# Altium PCB Main .PcbDoc (part 1 of 2) (continued)
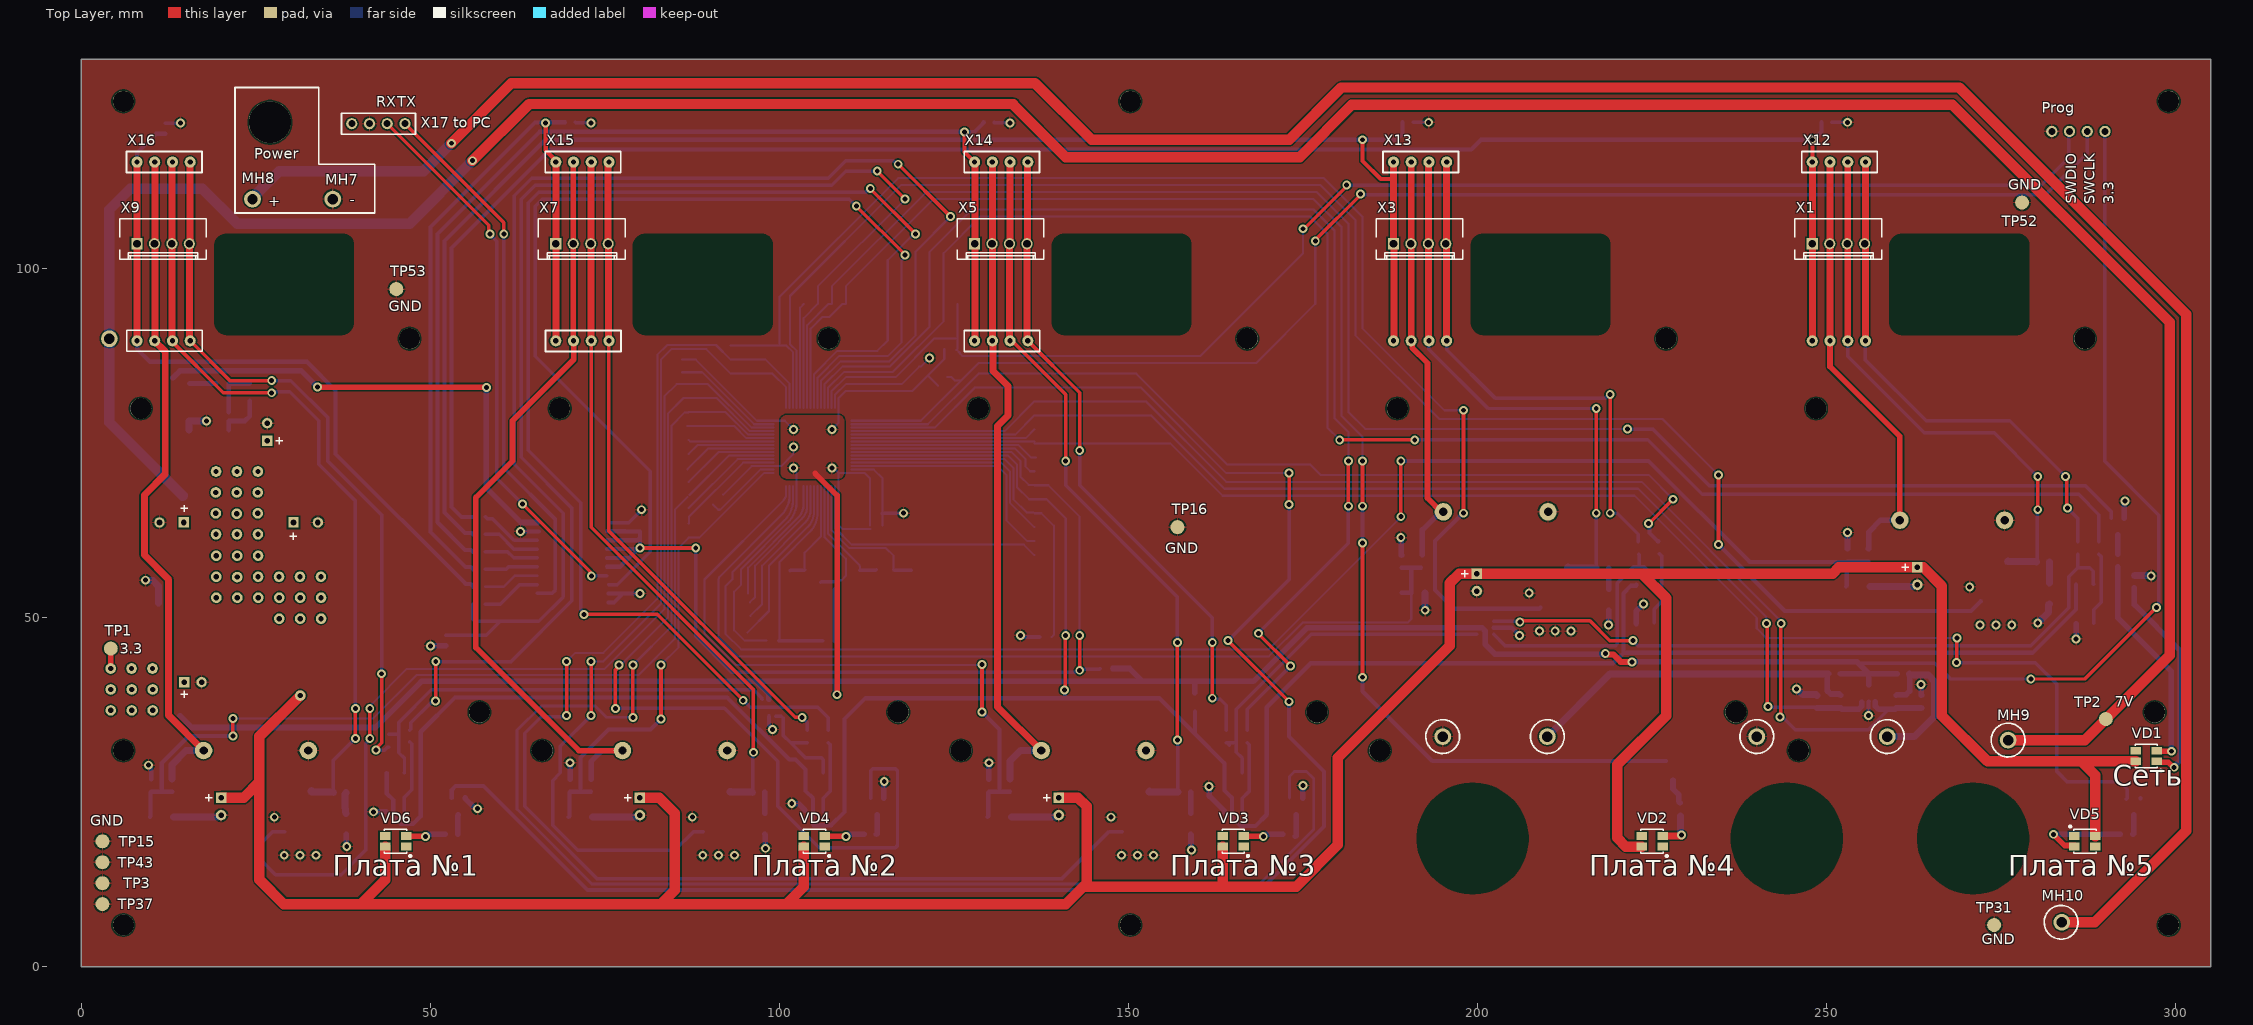
[diagram p0: Top Layer view]
## Components (designator, comment, footprint, x,y, rotation, side; value= is the part's Value field where it differs from the comment) (continued)
TP66 "TestPoint" TP_SMD_D_0.8MM 136.5,59 r90 bottom
VD1 "LED_RGB" SMD_3528_RGB_LED 295.8,30.2 r0 top value=FYLS-3528RGBC-CA
VD2 "LED_RGB" SMD_3528_RGB_LED 225,18 r0 top value=FYLS-3528RGBC-CA
VD3 "LED_RGB" SMD_3528_RGB_LED 165,18 r0 top value=FYLS-3528RGBC-CA
VD4 "LED_RGB" SMD_3528_RGB_LED 105,18 r0 top value=FYLS-3528RGBC-CA
VD5 "LED_RGB" SMD_3528_RGB_LED 287,18 r180 top value=FYLS-3528RGBC-CA
VD6 "LED_RGB" SMD_3528_RGB_LED 45,18 r0 top value=FYLS-3528RGBC-CA
VD7 "Zener" MINI_MELF 254.5,54.5 r180 bottom value=BZV55C3V3
VD8 "Zener" MINI_MELF 190.8,53.6 r180 bottom value=BZV55C3V3
VD9 "Zener" MINI_MELF 131.5,21.5 r180 bottom value=BZV55C3V3
VD10 "Zener" MINI_MELF 71.5,21.5 r180 bottom value=BZV55C3V3
VD11 "Zener" MINI_MELF 11.5,21.5 r180 bottom value=BZV55C3V3
VT1 "NPN" SOT23-3 291.7,63.1 r270 bottom value="Transistor NPN 100mA 50V"
VT2 "NPN" SOT23-3 228,28 r270 bottom value="Transistor NPN 100mA 50V"
VT3 "NPN" SOT23-3 174,23 r270 bottom value="Transistor NPN 100mA 50V"
VT4 "NPN" SOT23-3 114,23 r270 bottom value="Transistor NPN 100mA 50V"
VT5 "NPN" SOT23-3 294,23 r270 bottom value="Transistor NPN 100mA 50V"
VT6 "NPN" SOT23-3 54,23 r270 bottom value="Transistor NPN 100mA 50V"
X1 "Con 4" CWF-04_BLACK 251.7,103.6 r0 top locked value=CWF-05_BLACK
X2 "Con 4_pogo" 4_pin_pogo 247.95,89.7 r0 bottom locked value=PLS4-Pins
X3 "Con 4" CWF-04_BLACK 191.7,103.6 r0 top locked value=CWF-05_BLACK
X4 "Con 4_pogo" 4_pin_pogo 187.95,89.7 r0 bottom locked value=PLS4-Pins
X5 "Con 4" CWF-04_BLACK 131.7,103.6 r0 top locked value=CWF-05_BLACK
X6 "Con 4_pogo" 4_pin_pogo 127.95,89.7 r0 bottom locked value=PLS4-Pins
X7 "Con 4" CWF-04_BLACK 71.7,103.6 r0 top locked value=CWF-05_BLACK
X8 "Con 4_pogo" 4_pin_pogo 67.95,89.7 r0 bottom locked value=PLS4-Pins
X9 "Con 4" CWF-04_BLACK 11.7,103.6 r0 top locked value=CWF-05_BLACK
X10 "Con 4_pogo" 4_pin_pogo 7.95,89.7 r0 bottom locked value=PLS4-Pins
X11 "Con 4_1" PLS-4-WITHOUT3D 282.26,119.7 r0 bottom value=PLS4-Pins
X12 "Con 4_pogo" 4_pin_pogo 247.95,115.3 r0 top locked value=PLS4-Pins
X13 "Con 4_pogo" 4_pin_pogo 187.95,115.3 r0 top locked value=PLS4-Pins
X14 "Con 4_pogo" 4_pin_pogo 127.95,115.3 r0 top locked value=PLS4-Pins
X15 "Con 4_pogo" 4_pin_pogo 67.95,115.3 r0 top locked value=PLS4-Pins
X16 "Con 4_pogo" 4_pin_pogo 7.95,115.3 r0 top locked value=PLS4-Pins
X17 "Con 4_1" PLS-4-WITHOUT3D 46.34,120.8 r180 top value=PLS4-Pins
XT1 "Quartz Resonator KX–327NHT" KX–327NHT 115.1,56.9 r180 bottom value="32,768 kHz"
XT2 "Quartz Resonator KX7-T" KX7-T 104.75,56 r180 bottom value=8MHz

## Footprints (in the part's own frame and the unit in brackets; to place one, negate y for a bottom-side part, rotate by r counter-clockwise, add the part's x,y. Pads: shape width x height; smd on the part's side, far side on the other; paste and mask are expansions set on the pad)
4_pin_pogo [mm]
  round 1.6 hole 0.75: 1(0,0) 2(2.54,0) 3(5.08,0) 4(7.62,0)
  silkscreen extent -1.5,-1.5 9.3,1.5
CAP_RADIAL_6.3x11 [mm]
  rect 1.5x1.5 hole 0.8: 1(0,-1.25)
  round 1.5 hole 0.8: 2(0,1.25)
  silkscreen extent -3.2,-3.2 3.2,3.2, body extent -3.15,-3.15 3.15,3.15, height 11.5
CAP_RADIAL_8x11.5 [mm]
  rect 1.5x1.5 hole 0.8: 1(-1.75,0)
  round 1.5 hole 0.8: 2(1.75,0)
  silkscreen extent -4.25,-4.25 4.25,4.25, body extent -4,-4 4,4, height 11.8
CWF-04_BLACK [mm]
  rect 1.6x1.6 hole 1.1: 1(-3.75,0)
  round 1.6 hole 1.1: 2(-1.25,0) 3(1.25,0) 4(3.75,0)
  silkscreen extent -6.25,-2.18 6.17,3.58, body extent -6.25,-2.2 6.25,3.55, height 7
KX7-T [mm] "SMD QUARTZ"
  rect 1.3x1.1 smd: 1(-1.15,-0.9) 2(1.15,0.9) 3(1.15,-0.9) 4(-1.15,0.9)
  silkscreen extent -1.75,-1.45 1.75,1.45, body extent -1.61,-1.25 1.61,1.25, height 0.81
KX–327NHT [mm] "SMD QUARTZ"
  rect 1x1.8 smd mask+0.102: 1(-1.25,0) 2(1.25,0)
  silkscreen extent -2.02,-1.17 2.02,1.17, body extent -1.6,-0.75 1.6,0.75, height 0.71
LQFP64 [mm] "LQFP, 64-Leads, Body 10,00x10,00mm, Pitch 0,50mm, IPC Medium Density"
  oval 1.65x0.3 smd: 1(-5.6,3.75) 2(-5.6,3.25) 3(-5.6,2.75) 4(-5.6,2.25) 5(-5.6,1.75) 6(-5.6,1.25) 7(-5.6,0.75) 8(-5.6,0.25) 9(-5.6,-0.25) 10(-5.6,-0.75) 11(-5.6,-1.25) 12(-5.6,-1.75) 13(-5.6,-2.25) 14(-5.6,-2.75) 15(-5.6,-3.25) 16(-5.6,-3.75) 33(5.6,-3.75) 34(5.6,-3.25) 35(5.6,-2.75) 36(5.6,-2.25) 37(5.6,-1.75) 38(5.6,-1.25) 39(5.6,-0.75) 40(5.6,-0.25) 41(5.6,0.25) 42(5.6,0.75) 43(5.6,1.25) 44(5.6,1.75) 45(5.6,2.25) 46(5.6,2.75) 47(5.6,3.25) 48(5.6,3.75)
  oval 0.3x1.65 smd: 17(-3.75,-5.6) 18(-3.25,-5.6) 19(-2.75,-5.6) 20(-2.25,-5.6) 21(-1.75,-5.6) 22(-1.25,-5.6) 23(-0.75,-5.6) 24(-0.25,-5.6) 25(0.25,-5.6) 26(0.75,-5.6) 27(1.25,-5.6) 28(1.75,-5.6) 29(2.25,-5.6) 30(2.75,-5.6) 31(3.25,-5.6) 32(3.75,-5.6) 49(3.75,5.6) 50(3.25,5.6) 51(2.75,5.6) 52(2.25,5.6) 53(1.75,5.6) 54(1.25,5.6) 55(0.75,5.6) 56(0.25,5.6) 57(-0.25,5.6) 58(-0.75,5.6) 59(-1.25,5.6) 60(-1.75,5.6) 61(-2.25,5.6) 62(-2.75,5.6) 63(-3.25,5.6) 64(-3.75,5.6)
  silkscreen extent -5.72,-4.38 4.38,4.57, body extent -6.07,-6.07 6.07,6.07, height 1.62
MH_D1.5_H2.4 [mm]
  round 2.4 hole 1.5: 1(0,0)
MINI_MELF [mm] "MiniMELF, d=1.7mm, l=3.5mm"
  rect 1.4x1.8 smd: 1(-1.7,0) 2(1.7,0)
  silkscreen extent -2.67,-1.14 3.05,1.14, body extent -1.75,-0.75 1.75,0.75, height 1.51
PLS-4-WITHOUT3D [mm]
  round 1.6 hole 1: 1(0,0) 2(2.54,0) 3(5.08,0) 4(7.62,0)
  silkscreen extent -1.5,-1.5 9.1,1.5
Pointtest [mm]
  round 2 smd: 1(0,0)
RES_1W_HOR [mm] "Resistor 1W Hor Pitch 15 mm"
  round 2.5 hole 1.2: 1(-7.5,0) 2(7.5,0)
  silkscreen extent -6.1,-2.25 6.1,2.25, body extent -7.98,-1.87 7.95,1.88, height 3.62
SC-74-6 [mm]
  rect 1x0.7 smd mask+0.05: 1(0,0) 2(0,-0.95) 3(0,-1.9) 4(2.4,-1.9) 5(2.4,-0.95) 6(2.4,0)
  silkscreen extent -0.05,-2.5 1.95,1.05, body extent -0.18,-2.5 2.59,0.5, height 1.04
SMD_0603_CAP [mm]
  rect 0.8x0.9 smd: 1(0.75,0) 2(-0.75,0)
  silkscreen extent -1.4,-0.67 1.4,0.67, body extent -0.75,-0.48 0.95,0.48, height 0.6
SMD_0603_RES [mm] "0603 Resistor"
  rect 0.8x0.9 smd: 1(0.75,0) 2(-0.75,0)
  silkscreen extent -1.4,-0.67 1.4,0.67, body extent -0.85,-0.47 0.85,0.48, height 0.6
SMD_0805_CAP [mm] "Чипконденсатор, 2.0x1.3mm"
  rect 1.2x1.4 smd: 1(0.102,0.002) 2(1.902,0.002)
  silkscreen extent -0.75,-0.95 2.75,0.95, body extent 0,-0.6 2,0.65, height 0.51
SMD_0805_RES [mm] "Чипрезистор, 2.0x1.3mm"
  rect 1.2x1.4 smd: 1(0.102,0.002) 2(1.902,0.002)
  silkscreen extent -0.75,-0.95 2.75,0.95, body extent 0,-0.63 2,0.63, height 0.51
SMD_3528_RGB_LED [mm]
  rect 1.5x1.1 smd: 1(1.5,-0.75) 2(-1.5,-0.75) 3(-1.5,0.75) 4(1.5,0.75)
  silkscreen extent -1.6,-2.25 2.25,1.7, body extent -1.75,-1.4 1.75,1.4, height 2.1
SOIC-4 [mm]
  rrect50% 1.3x0.6 smd: 1(-2.8,1.27) 2(-2.8,-1.27) 3(2.8,-1.27) 4(2.8,1.27)
  silkscreen extent -2.9,-2.05 1.83,2.1, body extent -3.07,-2.04 3.02,2.04, height 2.16
SOIC-8 [mm] "SOIC-8 3.9mm, Pitch 1.27"
  rect 1.5x0.75 smd: 1(-2.85,1.905)
  oval 1.5x0.75 smd: 2(-2.85,0.635) 3(-2.85,-0.635) 4(-2.85,-1.905) 5(2.85,-1.905) 6(2.85,-0.635) 7(2.85,0.635) 8(2.85,1.905)
  silkscreen extent -2.52,-2.5 0.9,3.02, body extent -3.02,-2.51 3.02,2.51, height 1.6
SOIC-20W [mm]
  rect 2.2x0.6 smd: 1(0,0)
  oval 2.2x0.6 smd: 2(0,-1.27) 3(0,-2.54) 4(0,-3.81) 5(0,-5.08) 6(0,-6.35) 7(0,-7.62) 8(0,-8.89) 9(0,-10.16) 10(0,-11.43) 11(10,-11.43) 12(10,-10.16) 13(10,-8.89) 14(10,-7.62) 15(10,-6.35) 16(10,-5.08) 17(10,-3.81) 18(10,-2.54) 19(10,-1.27) 20(10,0)
  silkscreen extent 0.98,-12.07 8.07,0.92, body extent -0.15,-12.1 10.15,0.7, height 2.7
SOT23-3 [mm] "SOT23, 3-Leads, Body 2,90x2,45mm, Pitch 0,95mm, IPC Medium Density"
  rect 0.9x0.8 smd: 1(-1.2,0.95) 2(-1.2,-0.95) 3(1.2,0)
  silkscreen extent -1.32,-1.5 0.7,1.92, body extent -1.4,-1.45 1.4,1.45, height 1.4
SOT223 [mm]
  rect 1.5x2 smd: 1(-2.3,-3.15) 2(0,-3.15) 3(2.3,-3.15)
  rect 3.8x2 smd: 4(0,3.15)
  silkscreen extent -3.35,-1.85 3.35,1.85, body extent -3.25,-3.48 3.25,3.48, height 1.7
TP_SMD_D_0.8MM [mm]
  round 0.8 smd: 1(0,0)
  silkscreen extent -0.6,-0.6 0.6,0.6, body extent -0.4,-0.4 0.4,0.4, height 0.1

## Part data
C1 C3 C8 C11 C13 C14 C18: library part B41851A7107M, "Capacitor 100uF 35V", Voltage=35V, Dimension=6.3x11, ERP="Конденсатор Radial 6.3x11x2.5 100uF 35V", Mounting=DIP, Mounting Points=2, Part Number=B41851A7107M, Type Eng=Capacitor, Type Rus=Конденсатор
C2 C6 C7 C9: library part CC0805KKX7R7BB105, "Capacitor 1uF 16V X7R 10%", Dielectric=X7R, Tolerance=10%, Voltage=16V, ERP="Конденсатор 0805 1uF 16V X7R 10%", Footprint Doc=0805, Mounting=SMD, Mounting Points=2, Part Number=CC0805KKX7R7BB105, Type Eng=Capacitor, Type Rus=Конденсатор
C4 C5: library part B41851F7227M000, "Capacitor 220uF 35V", Voltage=35V, Dimension=8x11.5, ERP="Конденсатор Radial 8x11.5x3.5 100uF 35V", Mounting=DIP, Mounting Points=2, Part Number=B41851F7227M000, Type Eng=Capacitor, Type Rus=Конденсатор
C10 C12 C15 C16 C17 C19 C24 C25 C26 C27 C28: library part CC0805KRX7R7BB104, "Capacitor 100nF 16V X7R 10%", Dielectric=X7R, Tolerance=10%, Voltage=16V, ERP="Конденсатор 0805 100nF 16V X7R 10%", Footprint Doc=0805, Mounting=SMD, Mounting Points=2, Part Number=CC0805KRX7R7BB104, Type Eng=Capacitor, Type Rus=Конденсатор
C20 C21 C22 C23: library part 06035A100KAT2A, "Capacitor 10pF 50V X7R 10%", Dielectric=X7R, Tolerance=10%, Voltage=50V, ERP="Конденсатор 0603 10pF 50V X7R 10%", Footprint Doc=0603, Mounting=SMD, Mounting Points=2, Part Number=06035A100KAT2A, Type Eng=Capacitor, Type Rus=Конденсатор
DA1 DA6 DA9 DA10 DA12 DA13: "LDO Voltage Regulator ADJ 500mA", ERP="Микросхема NCP5500DADJR2G SOIC-8", Footprint Doc=SOIC-8, Mounting=SMD, Mounting Points=8, Part Number=NCP5500DADJR2G, Type Eng="LDO Voltage Regulator", Type Rus="LDO регулятор напряжения"
DA2 DA4 DA5 DA7 DA8: "Optocoupler CPC1035NTR", ERP="Микросхема CPC1035NTR SOIC-4", Footprint Doc=SOIC-4, Mounting=SMD, Mounting Points=4, Part Number=CPC1035NTR, Type Eng="OptoMOS Relay", Type Rus=Оптопара
DA3: library part LM1117MPX-33NOPB, "LDO Voltage Regulator 3.3V 800mA", ERP="Микросхема LM1117MPX-33NOPB SOT223", Footprint Doc=SOT223, Mounting=SMD, Mounting Points=4, Part Number=LM1117MPX-33NOPB, Type Eng="LDO Voltage Regulator", Type Rus="LDO регулятор напряжения"
DA11: "Octal Bus Buffer", ERP="Микросхема 74HC540 SOIC-20", Footprint Doc=SOIC-20, Mounting=SMD, Mounting Points=20, Part Number=74HC540, Type Eng=Buffer, Type Rus=Буффер
DD1 DD3 DD4: "ESD protection", Forward Voltage=0.9V, ERP="Сборка диодная CM1293A-04SO SC-74 PROTECT", Footprint Doc=SC-74-6, Mounting=SMD, Mounting Points=6, Part Number=CM1293A-04SO, Type Eng="ESD protection", Type Rus="Защитные диоды"
DD2: "ARM Microcontroller", ERP="Микросхема STM32F103RBT6", Footprint Doc=LQFP64, Mounting=SMD, Mounting Points=64, Part Number=STM32F103RBT6, Type Eng=Microcontroller, Type Rus=Микроконтроллер
MH2 MH3 MH4 MH5 MH6 MH7 MH8 MH9 MH10: "Hole", ERP="Технологическое отверстие для закладки дополнительного монтажа", Mounting=hole, Mounting Points=1, Part Number=MouthingHole, Type Eng=Hole, Type Rus="Точка для подпайки"
R1 R9 R11 R18 R21: library part RC0805JR-07330RL, "Resistor 0805 330R 0.125W 5%", Power=0,125W, Tolerance=5%, ERP="Резистор 0805 330R 0.125W 5%", Footprint Doc=0805, Mounting=SMD, Mounting Points=2, Part Number=RC0805JR-07330RL, Type Eng=Resistor, Type Rus=Резистор
R2 R10 R12 R19 R22: library part RC0805JR-07510RL, "Resistor 0805 510R 0.125W 5%", Power=0,125W, Tolerance=5%, ERP="Резистор 0805 510R 0.125W 5%", Footprint Doc=0805, Mounting=SMD, Mounting Points=2, Part Number=RC0805JR-07510RL, Type Eng=Resistor, Type Rus=Резистор
R3 R5 R15 R25 R33 R43: library part RC0805FR-072K71L, "Resistor 0805 2.71K 0.125W 1%", Power=0,125W, Tolerance=1%, ERP="Резистор 0805 2.71K 0.125W 1%", Footprint Doc=0805, Mounting=SMD, Mounting Points=2, Part Number=RC0805FR-072K71L, Type Eng=Resistor, Type Rus=Резистор
R4 R14 R24 R29 R31: library part MO-100, "Resistor MF 1 1W 5%", Power=1W, Tolerance=5%, ERP="Резистор MO-100 1 1W 5%", Footprint Doc=MF, Mounting=MF, Mounting Points=2, Part Number=MO-100, Type Eng=Resistor, Type Rus=Резистор
R6 R8 R16 R26 R34 R44 R59 R60 R61 R62 R63 R65 R66: library part RC0805FR-071KL, "Resistor 0805 1K 0.125W 1%", Power=0,125W, Tolerance=1%, ERP="Резистор 0805 1K 0.125W 1%", Footprint Doc=0805, Mounting=SMD, Mounting Points=2, Part Number=RC0805FR-071KL, Type Eng=Resistor, Type Rus=Резистор
R7 R13 R17 R27 R35 R45: library part RC0805FR-071K2L, "Resistor 0805 1.2K 0.125W 1%", Power=0,125W, Tolerance=1%, ERP="Резистор 0805 1.2K 0.125W 1%", Footprint Doc=0805, Mounting=SMD, Mounting Points=2, Part Number=RC0805FR-071K2L, Type Eng=Resistor, Type Rus=Резистор
R20 R56 R57 R64 R67: library part RC0805JR-074K7L, "Resistor 0805 4.7K 0.125W 5%", Power=0,125W, Tolerance=5%, ERP="Резистор 0805 4.7K 0.125W 5%", Footprint Doc=0805, Mounting=SMD, Mounting Points=2, Part Number=RC0805JR-074K7L, Type Eng=Resistor, Type Rus=Резистор
R23 R28 R30 R32 R36 R37 R38 R39 R40 R41 R42 R46: library part RC0805JR-072KL, "Resistor 0805 2K 0.125W 5%", Power=0,125W, Tolerance=5%, ERP="Резистор 0805 2K 0.125W 5%", Footprint Doc=0805, Mounting=SMD, Mounting Points=2, Part Number=RC0805JR-072KL, Type Eng=Resistor, Type Rus=Резистор
R47 R48 R49 R50 R51 R52: library part RC0603JR-073K3L, "Resistor 0603 3.3K 0.1W 5%", Power=0,1W, Tolerance=5%, ERP="Резистор 0603 3.3K 0.1W 5%", Footprint Doc=0603, Mounting=SMD, Mounting Points=2, Part Number=RC0603JR-073K3L, Type Eng=Resistor, Type Rus=Резистор
R53 R54 R55: library part RC0805JR-078K2L, "Resistor 0805 8.2K 0.125W 5%", Power=0,125W, Tolerance=5%, ERP="Резистор 0805 8.2K 0.125W 5%", Footprint Doc=0805, Mounting=SMD, Mounting Points=2, Part Number=RC0805JR-078K2L, Type Eng=Resistor, Type Rus=Резистор
R58: library part RC0805JR-0710KL, "Resistor 0805 10K 0.125W 5%", Power=0,125W, Tolerance=5%, ERP="Резистор 0805 10K 0.125W 5%", Footprint Doc=0805, Mounting=SMD, Mounting Points=2, Part Number=RC0805JR-0710KL, Type Eng=Resistor, Type Rus=Резистор
TP1 TP2 TP3 TP15 TP16 TP31 TP37 TP43 TP44 TP48 TP50 TP52 TP53 TP54 TP56 TP57 TP58: library part Pointtest, "Point", ERP="Точка для пайки провода Point", Mounting=SMD, Mounting Points=1, Part Number=Pointtest, Type Eng=Point, Type Rus="Точка пайки"
VD1 VD2 VD3 VD4 VD5 VD6: library part FYLS-3528RGBC-CA, "RGB LED SMD 50/30/30mA 5V", Forward Current=50/30/30mA, Forward Voltage=2.6/2.1/2.1V, Reverse Voltage=5V, ERP="Светодиод FYLS-3528RGBC-CA 3528 RGB 2.6/2.1/2.1VDC", Footprint Doc=3528, Mounting=SMD, Mounting Points=4, Part Number=FYLS-3528RGBC-CA, Type Eng="RGB LED", Type Rus="RGB светодиод SMD"
VD7 VD8 VD9 VD10 VD11: library part BZV55C3V3, Power=-, Voltage=3.3V, ERP="Стабилитрон BZV55C3V3 MINI_MELF 0.5W 3.3V", Mounting=SMD, Mounting Points=2, Part Number=BZV55C3V3, Type Eng=Zener, Type Rus=Стабилитрон
VT1 VT2 VT3 VT4 VT5 VT6: library part BCR112, ERP="Транзистор BCR112 SOT23-3 NPN 100mA 50V", Mounting=SMD, Mounting Points=3, Part Number=BCR112, Type Eng=Transistor, Type Rus=Транзистор
X1 X3 X5 X7 X9: library part B4B-XH-A-BK, "Разъем CWF-4 Pitch 2.5mm Black", Column=4, ERP="Разъем  B4B-XH-A-BK 1x4 2.5mm", Footprint Doc=CWF-4, Mounting=DIP, Mounting Points=4, Part Number=B4B-XH-A-BK, Pitch=2.5, Row=1, Type Eng=Connector, Type Rus=Разъем
X2 X4 X6 X8 X10 X12 X13 X14 X15 X16: library part name, "Разъём name", Column=4, ERP="Разъем  name 1x4 2.54mm", Footprint Doc=pls-4, Mounting=DIP, Mounting Points=4, Part Number=name, Pitch=2.54, Row=1, Type Eng=Connector, Type Rus=Разъем
X11 X17: library part PLS4-Pins, "Разъем PLS-4 for soldering without package Pitch 2.54mm", Column=4, Mounting=DIP, Mounting Points=4, Part Number=PLS4-Pins, Pitch=2.54, Row=1, Type Eng=Connector, Type Rus=Разъем
XT1: library part KX–327NHT, "Crystal KX–327NHT 32.768KHz 10ppm", Frequency=32.768KHz, Load Capacitance=32pF, Tolerance=10ppm, Component Name="Quartz Resonator KX–327NHT", Description Doc="10pF 20ppm", ERP="Резонатор кварцевый KX-7T 8MHz 32pF 10ppm", Footprint Doc=KX–327NHT, Mounting=SMD, Mounting Points=2, MountingPoints=2, Part Number=KX–327NHT, Source=PassiveComponentsLibTion.SchLib, Type Eng=Crystal, Type Rus="Кварцевый резонатор"
XT2: library part KX-7T, "Crystal KX-7T 8MHz 10ppm", Frequency=8MHz, Load Capacitance=16pF, Tolerance=10ppm, Component Name="Quartz Resonator KX7-T", Description Doc="12pF 30ppm", ERP="Резонатор кварцевый KX-7T 8MHz 16pF 10ppm", Footprint Doc=KX-7, Mounting=SMD, Mounting Points=2, MountingPoints=4, Part Number=KX-7T, Source=PassiveComponentsLibTion.SchLib, Type Eng=Crystal, Type Rus="Кварцевый резонатор"
TP4 TP5 TP6 TP7 TP8 TP9 TP10 TP11 TP12 TP13 TP14 TP17 TP18 TP19 TP20 TP21 TP22 TP23 TP24 TP25 TP26 TP27 TP28 TP29 TP30 TP32 TP33 TP34 TP35 TP36 TP38 TP39 TP40 TP41 TP42 TP45 TP46 TP47 TP49 TP51 TP55: Part Number=TestPoint
TP59 TP60 TP61 TP62 TP63 TP64 TP65 TP66: ERP="Тестовая точка  TestPoint", Mounting=SMD, Mounting Points=1, Part Number=TestPoint, Type Eng=TestPoint, Type Rus="Тестовая точка"

## Free pads (board coordinates)
  round 1.524 hole 0.762: 10(4.2,36.75) 10(19.25,64.975) 10(19.25,67.975) 10(19.275,61.975) 10(19.275,70.975) 10(19.3,55.9) 10(19.3,58.9) 10(19.325,52.9) 10(28.325,49.9) 10(31.35,38.879) 11(22.25,64.925) 11(22.275,61.975) 11(22.275,70.975) 11(22.3,55.85) 11(22.325,52.9) 12(25.25,64.975) 12(25.275,61.975) 12(25.275,70.975) 12(25.3,55.9) 12(25.325,52.9) 13(4.175,42.75) 13(4.2,39.75) 13(28.3,55.9) 13(28.325,52.9) 14(7.175,42.75) 14(7.2,39.75) 14(31.3,55.9) 14(31.325,52.9) 19(10.175,42.75) 19(10.2,39.75) 19(34.3,55.9) 19(34.325,52.9) 20(7.2,36.75) 20(22.25,67.975) 20(22.3,58.9) 20(31.325,49.9) 21(10.2,36.75) 21(25.25,67.975) 21(25.3,58.9) 21(34.325,49.9)
  round 3 hole 3 unplated: ""(6,6) ""(6,31) ""(6,124) ""(8.5,80) ""(47,90) ""(57,36.5) ""(66,31) ""(68.5,80) ""(107,90) ""(117,36.5) ""(126,31) ""(128.5,80) ""(150.25,6) ""(150.25,124) ""(167,90) ""(177,36.5) ""(186,31) ""(188.5,80) ""(227,90) ""(237,36.5) ""(246,31) ""(248.5,80) ""(287,90) ""(297,36.5) ""(299,6) ""(299,124)
  round 6 hole 6 unplated: ""(27,121)

## Via types
v1: diameter 1.27, hole 0.711, Top Layer to Bottom Layer, 180 vias

## Nets (pads, with @x,y where several pads share a name; then routed paths per layer and width w, separated by ;. In a path a pad name is that pad's centre, name@x,y a point inside that pad or via, vN(x,y) a via of type N, cw(c..) or ccw(c..) an arc to the next point about the centre after c; other vN are vias at no path point)
+3.3V: C2.2 C3.1 C9.2 C10.2 C12.2 C15.2 DA3.2 DA3.4 DD1.5 DD2.1 DD2.13 DD2.19 DD2.32 DD2.48 DD2.64 DD3.5 DD4.5 pad.10@4.2,36.75 pad.13@4.2,39.75 pad.13@4.175,42.75 pad.14@7.2,39.75 pad.14@7.175,42.75 pad.19@10.2,39.75 pad.19@10.175,42.75 pad.20@7.2,36.75 pad.21@10.2,36.75 R53.2 R54.2 R55.2 R56.2 R57.2 R64.1 R67.1 TP1.1 TP44.1 X11.4 | length 546.2
  Top Layer w0.5: v1(279.25,41.25) 287,41.25 v1(297.25,51.5)
  Top Layer w0.8: pad.13@4.175,42.75 4.188,42.763 4.188,45.588 TP1.1@4.2,45.6 ; 105.1,70.7 108.25,67.55 v1(108.25,39)
  Top Layer w0.9: v1(218.3,44.9) 218.428,44.772 219.428,44.772 220.5,43.7 v1(222.1,43.7)
  Bottom Layer w0.3: C2.2@86,87 88,87 96.75,78.25 DD2.32@99.1,78.25 100.775,78.25 102,77.025 v1(102,77) ; C12.2@91.915,67.665 96,71.75 DD2.19@99.1,71.75 100.25,71.75 102,73.5 v1(102,74.5) ; R54.2@98.098,46.752 98.089,46.743 94.993,46.743 93.5,48.236 93.5,53.75 94.5,54.75 94.5,57 101.261,63.761 ccw(c98.396,66.629) 102.45,66.629 ; v1(102,71.5) 102,71.238 102.45,70.788 DD2.13@102.45,68.9 102.45,66.631 ; v1(107.5,71.5) 107.762,71.5 108.45,70.812 ; v1(107.5,77) 108.45,77.95 DD2.48@108.45,80.1 108.45,81.45 109.5,82.5 119,82.5 C10.2@121.227,84.727 ; C15.2@112.95,63.25 112.95,70.05 112.25,70.75 DD2.64@110.3,70.75 108.512,70.75 108.45,70.812 ; C15.2@113,62.75 109,62.75 108.45,63.3 DD2.1@108.45,68.9 108.45,70.812 ; R53.2@122.727,83.227 121.273,84.682 C10.2@121.273,84.727 C10.2@121.227,84.727 ; R55.2@123.598,88.502 123.598,87.098 C10.2@121.227,84.727
  Bottom Layer w0.5: 254.55,43.5 265.5,43.5 267.75,41.25 v1(279.25,41.25) ; X11.4@289.88,119.7 289.88,72.423 297.585,64.718 297.585,52.043 297.25,51.708 v1(297.25,51.5)
  Bottom Layer w0.8: 14.1,36 15.8,34.3 42.11,34.3 48.71,40.9 96.649,40.9 ; DD3.5@98.475,38.325 98.475,39.074 96.649,40.9 ; v1(108.25,39) 108.16,39.09 108.16,40.74 108,40.9 ; R56.2@147.75,42.75 150.15,42.75 152,40.9 ; 159.5,39.3 159.5,40.9 ; DD1.5@199.8,48.6 199.151,48.6 175.6,48.6 167.9,40.9 159.5,40.9 ; DD1.5@200,48.6 200.649,48.6 201.1,48.149 201.1,46.2 202.5,44.8 218.2,44.8 v1(218.3,44.9) ; v1(222.1,43.7) 254.35,43.7 254.55,43.5 256.05,42 ; R67.1@251.998,42.002 252,42 256.05,42 ; DD4.5@256.05,40.4 256.05,42 ; R64.1@260.102,41.998 R64.1@260.102,41.998 256.05,42 ; 96.649,40.9 108,40.9 ; 108,40.9 152,40.9 ; 152,40.9 159.5,40.9
+5V: DA11.20 DA13.4 R3.1 TP48.1 | length 70
  Top Layer w0.8: v1(33.8,83.1) 33.85,83.05 57.95,83.05 v1(58,83)
  Bottom Layer w0.8: 13.1,84.4 14.1,85.4 31.5,85.4 v1(33.8,83.1) ; v1(58,83) 58,68.625 62.95,63.675 DA11.20@65.275,63.675
+7V: C1.1 C4.1 C5.1 C6.2 C7.2 C8.1 C11.1 C13.1 C14.1 C18.1 DA1.1 DA3.3 DA6.1 DA9.1 DA10.1 DA12.1 DA13.1 DA13.8 MH2.1 MH8.1 MH9.1 MH10.1 pad.10@19.3,55.9 pad.10@19.3,58.9 pad.10@19.25,64.975 pad.10@19.25,67.975 pad.10@19.275,61.975 pad.10@19.275,70.975 pad.10@19.325,52.9 pad.10@28.325,49.9 pad.10@31.35,38.879 pad.11 pad.12 pad.13@28.3,55.9 pad.13@28.325,52.9 pad.14@31.3,55.9 pad.14@31.325,52.9 pad.19@34.3,55.9 pad.19@34.325,52.9 pad.20@22.3,58.9 pad.20@22.25,67.975 pad.20@31.325,49.9 pad.21@25.3,58.9 pad.21@25.25,67.975 pad.21@34.325,49.9 TP2.1 TP50.1 VD1.2 VD2.2 VD3.2 VD4.2 VD5.2 VD6.2 | length 1326
  Top Layer w1.5: C13.1@20,24.25 23.25,24.25 25.5,26.5 ; pad.10@31.35,38.879 25.5,33.029 25.5,26.5 ; VD6.2@43.5,17.25 43.5,12.5 40,9 ; v1(53,118) 61.599,126.599 136.599,126.599 144.698,118.5 173,118.5 180.485,125.985 269.015,125.985 301.5,93.5 301.5,19.5 288.4,6.4 MH10.1@283.7,6.4 ; v1(56,115.5) 64.121,123.621 133.5,123.621 133.5,123.5 141,116 174.5,116 182,123.5 268,123.5 299.131,92.369 299.131,44.631 TP2.1@290,35.5 287,32.5 MH9.1@276,32.5 ; C18.1@80,24.25 82.75,24.25 85,22 85,11 83,9 ; VD4.2@103.5,17.25 103.5,11.5 101,9 ; C11.1@140,24.25 142.75,24.25 144,23 144,12 143.5,11.5 ; VD3.2@163.5,17.25 163.5,11.5 ; VD2.2@223.5,17.25 221.25,17.25 220,18.5 220,29 227,36 227,52.85 223.5,56.35 ; VD5.2@288.5,18.75 288.5,27.45 286.5,29.45 ; VD1.2@294.3,29.45 286.5,29.45 ; 25.5,26.5 25.5,12.5 29,9 40,9 ; 40,9 83,9 ; 83,9 101,9 ; 101,9 141,9 143.5,11.5 ; 143.5,11.5 163.5,11.5 ; 163.5,11.5 174,11.5 180,17.5 180,30 196,46 196,55 197.35,56.35 C8.1@199.9,56.35 223.5,56.35 ; 223.5,56.35 250.85,56.35 251.75,57.25 C1.1@263,57.25 263.821,57.25 266.5,54.571 266.5,36 273.05,29.45 286.5,29.45
  Bottom Layer w1.5: 14.5,67.5 4,78 MH2.1@4,90 4,108.5 7,111.5 17.3,111.5 22.3,106.5 47,106.5 v1(56,115.5) ; MH8.1@24.5,110 24.5,110.171 28.329,114 49,114 v1(53,118)
FT_PA8: DD2.41 R18.1 TP25.1 | length 198.7
  Top Layer w0.5: v1(72,50.5) 82.5,50.5 v1(94.8,38.2) ; v1(113,111.5) v1(119.5,105)
  Bottom Layer w0.3: DD2.41@104.95,80.1 104.95,84.95 108.25,88.25 114,88.25 115.5,89.75 TP25.1@115.5,95 115.5,101.25 119.25,105 v1(119.5,105)
  Bottom Layer w0.5: v1(72,50.5) 72,50.669 71.5,51.169 71.5,66.5 64,74 64,109.5 65.5,111 112.322,111 112.822,111.5 v1(113,111.5) ; v1(94.8,38.2) 95.8,37.2 105.5,37.2 106.998,35.702 R18.1@106.998,33.898
FT_PA11: DD2.44 R11.1 TP20.1 | length 176.5
  Top Layer w0.3: v1@168.6,47.75 v1(168.6,47.8) ; v1(173.2,43.1) v1@173.2,43.15
  Top Layer w0.5: v1@168.6,47.75 v1@173.2,43.15 ; v1(181.5,66) v1(181.5,72.5)
  Bottom Layer w0.3: DD2.44@106.45,80.1 106.45,83.45 109,86 115.75,86 121.5,91.75 TP20.1@121.5,95 121.5,102.438 127.562,108.5 176.5,108.5 179.5,105.5 179.5,78.626 181.5,76.626 v1(181.5,72.5)
  Bottom Layer w0.5: R11.1@166.998,33.898 166.998,36.898 v1(173.2,43.1) ; v1(168.6,47.8) 181.5,60.7 v1(181.5,66)
FT_PA12: DD2.50 R9.1 TP14.1 | length 136.4
  Top Layer w0.5: v1(224.5,63.5) v1(228,67)
  Bottom Layer w0.3: DD2.50@110.3,77.75 121.25,77.75 128.5,85 TP14.1@136.5,85 151.107,85 164.107,72 176,72 177.5,70.5 224.5,70.5 v1(228,67) ; R9.1@225.9,60.996 R9.1@225.998,60.898
  Bottom Layer w0.6: v1(224.5,63.5) 224.628,63.372 224.628,62.168 225.8,60.996 R9.1@225.9,60.996
FT_PA15: DD2.45 R1.1 TP19.1 | length 238.6
  Top Layer w0.5: v1(180.25,75.5) v1(191,75.5)
  Bottom Layer w0.3: DD2.45@106.95,80.1 106.95,80.775 106.95,82.95 109.25,85.25 116.25,85.25 123.5,92.5 TP19.1@123.5,95 123.5,102.25 128.75,107.5 176,107.5 178.5,105 178.5,77.25 v1(180.25,75.5)
  Bottom Layer w0.5: v1(191,75.5) 224.4,75.5 232.2,67.7 286.1,67.7 288.998,64.802 R1.1@288.998,60.898
FT_PB2: DD2.28 TP55.1 VT3.1 | length 227.2
  Top Layer w0.5: v1(79,35.75) v1(79,43.25)
  Bottom Layer w0.3: v1(79,43.25) 84.5,48.75 84.5,77.5 86.449,79.449 86.949,79.449 TP55.1@87,79.5 92.25,79.5 95.5,76.25 DD2.28@99.1,76.25
  Bottom Layer w0.4: v1(79,35.75) 78.985,35.765 75.235,35.765 73.6,37.4 65.9,37.4 62.4,33.9 62.4,22.6 73.1,11.9 168.733,11.9 176.531,19.698 176.531,26.969 175.5,28 173.75,28 173.05,27.3 VT3.1@173.05,24.2
FT_PB3: DD2.55 TP9.1 VT5.1 | length 215.2
  Top Layer w0.3: v1(268.6,43.6) v1@268.65,43.65 ; v1@268.65,47.05 v1(268.7,47.1)
  Top Layer w0.5: v1@268.65,43.65 v1@268.65,47.05
  Bottom Layer w0.3: DD2.55@110.3,75.25 TP9.1@136.5,75.25 ; TP9.1@136.5,75 156,75 163.5,67.5 222.5,67.5 240,50 240,48.5 241.4,47.1 v1(268.7,47.1)
  Bottom Layer w0.5: v1(268.6,43.6) 279.9,43.6 283,40.5 283,28 284.5,26.5 292,26.5 293.05,25.45 VT5.1@293.05,24.2 293.05,24.15 VT5.1@292.9,24
FT_PB10: DD2.29 TP45.1 VT4.1 | length 134.8
  Top Layer w0.5: v1(76.5,37) 76.5,42.542 77,43.042 v1(77,43.25)
  Bottom Layer w0.3: v1(77,43.25) 77.25,43.25 84,50 84,79.25 86.25,81.5 TP45.1@87,81.5 91,81.5 95.75,76.75 DD2.29@99.1,76.75
  Bottom Layer w0.5: v1(76.5,37) 76.585,37.085 92.115,37.085 99.75,29.45 99.75,23.05 105.7,17.1 116.607,17.1 116.9,17.393 116.9,28.107 116.607,28.4 113.343,28.4 113.05,28.107 VT4.1@113.05,24.2
FT_PB11: DA12.8 DD2.30 TP46.1 | length 142.2
  Top Layer w0.5: v1(41.3,32.7) v1(41.3,37)
  Bottom Layer w0.3: v1(41.3,37) 41.486,37.186 41.486,37.586 46.6,42.7 74.95,42.7 83.5,51.25 83.5,81.75 85.25,83.5 TP46.1@87,83.5 89.75,83.5 96,77.25 DD2.30@99.1,77.25
  Bottom Layer w0.5: DA12.8@29.095,19.4 27.4,19.4 25.6,17.6 25.6,15.4 27.8,13.2 37.2,13.2 40.75,16.75 40.75,32.022 41.3,32.572 v1(41.3,32.7)
FT_PB12: DA10.8 DD2.33 TP41.1 | length 122.1
  Top Layer w0.5: v1(73,36) v1(73,43.75)
  Bottom Layer w0.3: v1(73,43.75) 74.75,43.75 83,52 83,87 84.5,88.5 89.5,88.5 TP41.1@93,85 99,85 100.95,83.05 DD2.33@100.95,80.1
  Bottom Layer w0.5: v1(73,36) 68.6,31.6 68.6,27.8 67.5,26.7 67.5,20.29 71.09,16.7 85,16.7 87.7,19.4 DA10.8@89.095,19.4
FT_PB13: DA9.8 DD2.34 TP39.1 | length 195
  Top Layer w0.5: v1(69.5,36) v1(69.5,43.75)
  Bottom Layer w0.3: v1(69.5,43.75) 70.75,45 74.75,45 82.5,52.75 82.5,87.7 83.9,89.1 90.9,89.1 TP39.1@93,87 98,87 101.45,83.55 DD2.34@101.45,80.1
  Bottom Layer w0.5: v1(69.5,36) 69.353,35.853 65.853,35.853 63.5,33.5 63.5,23 66.5,20 73.9,12.6 140.4,12.6 147.2,19.4 DA9.8@149.095,19.4
FT_PB14: DA6.8 DD2.35 TP36.1 | length 196.3
  Top Layer w0.6: v1(198,65) v1(198,79.75)
  Bottom Layer w0.3: TP36.1@93,89 100,89 ; DD2.35@101.95,80.1 101.95,88.05 101,89 100,89 ; v1(198,79.75) 195.25,79.75 183.5,91.5 183.5,107.5 178,113 117,113 100,96 100,89
  Bottom Layer w0.6: v1(198,65) 197.9,65 193.9,61 193.9,54 196.6,51.3 208.833,51.3 208.995,51.462 DA6.8@208.995,51.5
FT_PB15: DA1.8 DD2.36 TP34.1 | length 235
  Top Layer w0.6: v1(234.5,60.5) v1(234.5,70.5)
  Bottom Layer w0.3: DD2.36@102.45,80.1 102.45,80.775 102.45,88.257 101.5,89.207 101.5,96.111 117.389,112 177.5,112 182.5,107 182.5,90.5 194.5,78.5 226.5,78.5 v1(234.5,70.5)
  Bottom Layer w0.6: v1(234.5,60.5) 244,51 270.695,51 DA1.8@272.095,52.4
FT_PC6: DD2.37 TP33.1 | length 15.1
  Bottom Layer w0.3: DD2.37@102.95,80.1 102.95,94.45 TP33.1@103.5,95
FT_PC7: DD2.38 R21.1 TP32.1 | length 188.9
  Top Layer w0.5: v1(50.7,38.1) 50.725,38.125 50.725,43.725 v1(50.75,43.75) ; v1(114,114) v1(118,110)
  Bottom Layer w0.3: DD2.38@103.45,80.1 103.45,92.95 TP32.1@105.5,95 105.5,97.5 v1(118,110)
  Bottom Layer w0.5: R21.1@46.998,33.898 47.155,34.055 47.155,34.955 v1@50.153,37.953 ; v1(50.75,43.75) 61.55,43.75 70.25,52.45 70.25,65.75 63,73 63,110 65,112 107.5,112 109.5,114 v1(114,114)
FT_PC8: DD2.39 TP29.1 VT1.1 | length 243.7
  Bottom Layer w0.3: DD2.39@103.95,80.1 103.95,91.95 106.949,94.949 TP29.1@107.5,94.949 ; TP29.1@107.5,95 107.5,97.5 121,111 177,111 181.5,106.5 181.5,79.5 183.915,77.085 v1(221.5,77.085)
  Bottom Layer w0.5: v1(221.5,77.085) 221.585,77 225.15,77 233.25,68.9 287.1,68.9 290.75,65.25 VT1.1@290.75,64.3
FT_PC9: DD2.40 TP27.1 VT2.1 | length 213.6
  Top Layer w0.6: v1(183.5,41.5) v1(183.5,60.75) ; v1(183.5,66) v1(183.5,72.5)
  Bottom Layer w0.3: DD2.40@104.45,80.1 104.45,80.775 104.45,91.45 106.112,93.112 107.112,93.112 108.949,94.949 109.449,94.949 TP27.1@109.5,95 109.5,97.5 122,110 176.5,110 180.5,106 180.5,78.985 183.5,75.985 v1(183.5,72.5)
  Bottom Layer w0.6: v1(183.5,41.5) 183.5,39.5 193.5,29.5 VT2.1@227,29.5 ; v1(183.5,60.75) v1(183.5,66)
FT_PC10: DD2.51 TP13.1 VT6.1 | length 266.4
  Top Layer w0.5: v1(164.25,46.75) v1(173,38) ; v1(173,66.25) v1(173,70.75)
  Bottom Layer w0.3: DD2.51@110.3,77.25 122.25,77.25 128,83 TP13.1@136.5,83 151.75,83 164,70.75 v1(173,70.75)
  Bottom Layer w0.5: v1(164.25,46.75) 173,55.5 v1(173,66.25)
  Bottom Layer w0.6: VT6.1@53.05,24.2 53.05,25.35 53.6,25.9 57.6,25.9 72.5,11 168.893,11 178,20.107 178,28 173,33 v1(173,38)
FT_PC11: C27.2 DD2.52 DD4.1 R65.1 TP12.1 | length 186.8
  Top Layer w0.5: v1(243.3,35.8) 243.4,35.9 243.4,49.1 v1(243.5,49.2)
  Bottom Layer w0.3: DD2.52@110.3,76.75 132.25,76.75 TP12.1@136.5,81 152.5,81 164,69.5 223.5,69.5 243.183,49.817 243.183,49.78 243.5,49.462 v1(243.5,49.2)
  Bottom Layer w0.5: v1(243.3,35.8) 243.447,35.653 243.847,35.653 245.5,34 256,34 258.9,36.9 ; 257.8,36.9 258,36.9
  Bottom Layer w0.8: DD4.1@257,38 257,37.369 257.469,36.9 257.8,36.9 ; 258,36.9 259.233,36.9 259.235,36.902 259.802,36.902 R65.1@260.002,37.102 R65.1@260.002,37.102 263.599,37.101 C27.2@263.6,37.1
FT_PC12: C28.1 DD2.53 DD4.3 R66.1 TP11.1 | length 171.4
  Top Layer w0.5: v1(241.4,49.2) 241.5,49.1 241.5,37.4 v1(241.6,37.3)
  Bottom Layer w0.3: DD2.53@110.3,76.25 133.75,76.25 TP11.1@136.5,79 153.25,79 163.75,68.5 223,68.5 241.391,50.109 241.391,49.209 v1(241.4,49.2)
  Bottom Layer w0.5: v1(241.6,37.3) 241.7,37.2 248.5,37.2 C28.1@248.6,37.1
  Bottom Layer w0.8: C28.1@248.6,37.1 248.601,37.101 R66.1@252.002,37.102 R66.1@252.002,37.102 252.202,36.902 254.581,36.902 255.05,37.371 DD4.3@255.05,37.9